# KiCad board motordecoder2-K3057.kicad_pcb (continued)
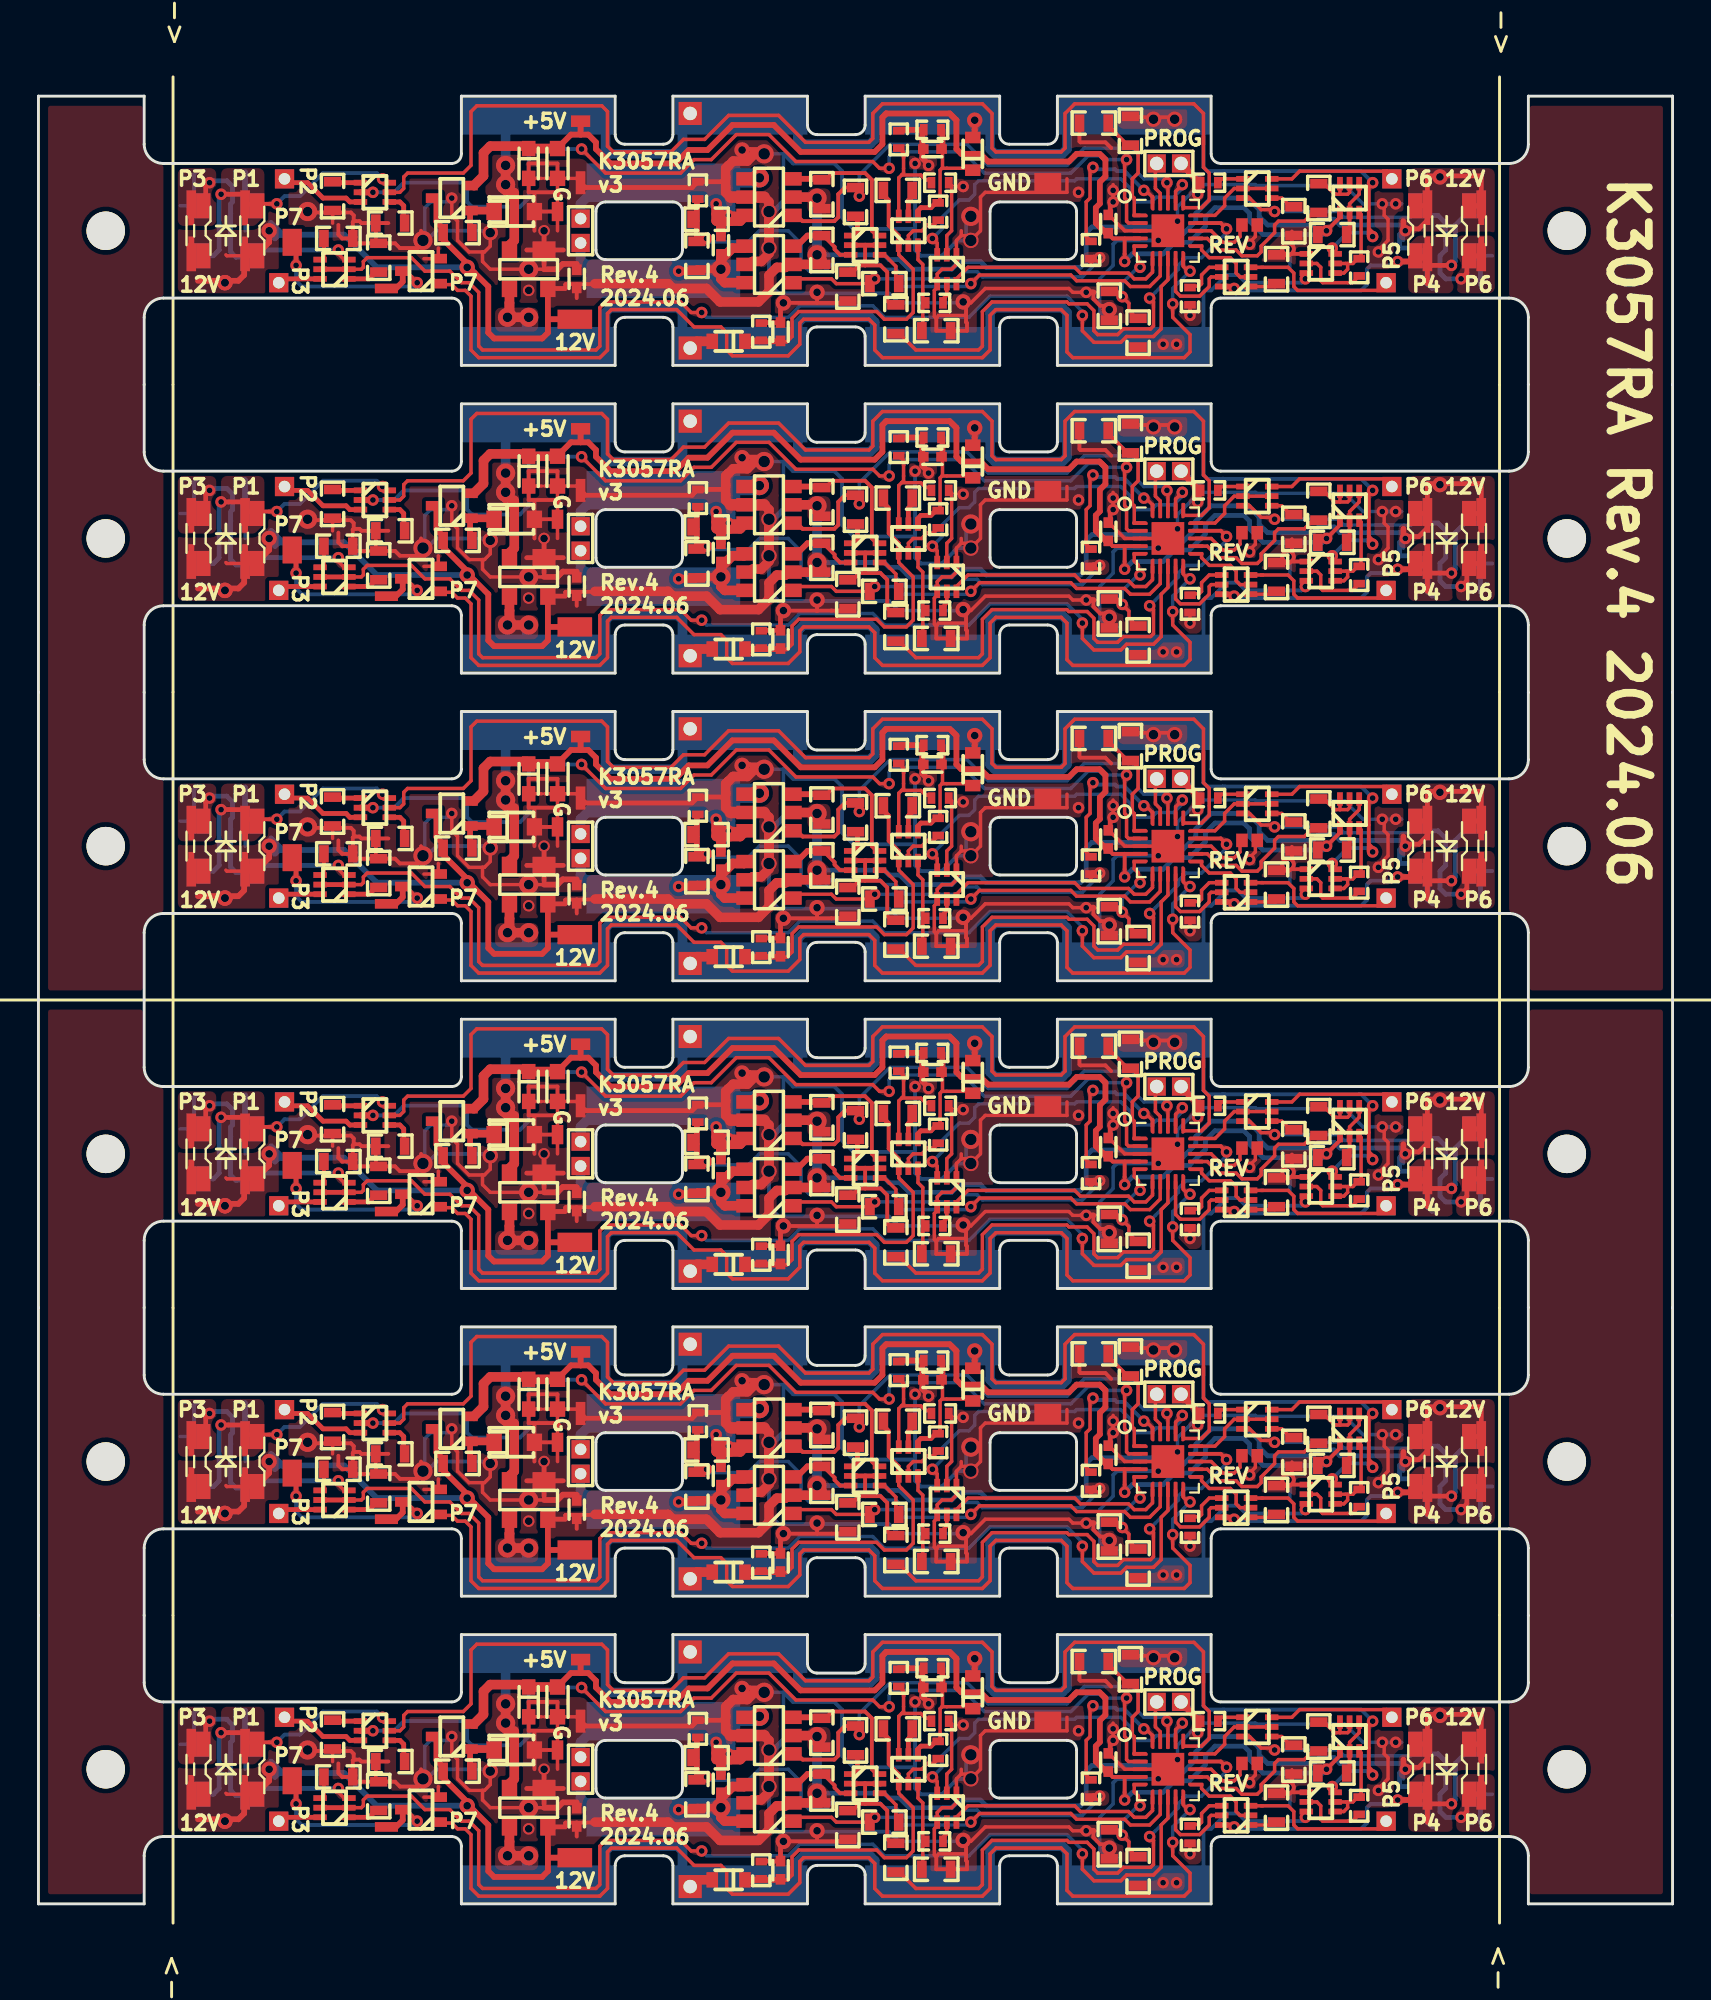
[diagram p0: board, top side]
## Copper pours and planes (outline as drawn; the poured copper is in the pictures) (continued)
Net-(D15-K) on Top: 75.75,19.75 73.75,19.75 73.75,22.75 75.75,22.75
Net-(D15-K) on Top: 75.75,51.75 73.75,51.75 73.75,54.75 75.75,54.75
Net-(D15-K) on Top: 75.75,3.75 73.75,3.75 73.75,6.75 75.75,6.75
Net-(D15-K) on Top: 75.75,67.75 73.75,67.75 73.75,70.75 75.75,70.75
Net-(D16-K) on Top: 9.25,87.25 7.25,87.25 7.25,90.25 9.25,90.25
Net-(D16-K) on Top: 9.25,71.25 7.25,71.25 7.25,74.25 9.25,74.25
Net-(D16-K) on Top: 9.25,7.25 7.25,7.25 7.25,10.25 9.25,10.25
Net-(D16-K) on Top: 9.25,55.25 7.25,55.25 7.25,58.25 9.25,58.25
Net-(D16-K) on Top: 9.25,23.25 7.25,23.25 7.25,26.25 9.25,26.25
Net-(D16-K) on Top: 9.25,39.25 7.25,39.25 7.25,42.25 9.25,42.25
Net-(R10-Pad1) on Top: 55.7,53.1 54.3,53.1 54.3,53.9 55.7,53.9
Net-(R10-Pad1) on Top: 55.7,21.1 54.3,21.1 54.3,21.9 55.7,21.9
Net-(R10-Pad1) on Top: 55.7,37.1 54.3,37.1 54.3,37.9 55.7,37.9
Net-(R10-Pad1) on Top: 55.7,5.1 54.3,5.1 54.3,5.9 55.7,5.9
Net-(R10-Pad1) on Top: 55.7,69.1 54.3,69.1 54.3,69.9 55.7,69.9
Net-(R10-Pad1) on Top: 55.7,85.1 54.3,85.1 54.3,85.9 55.7,85.9

Small or netless copper shapes (teardrops, artwork), in the pictures only: 354 on Top, 318 on Bottom

## Text on the board
B.Silkscreen: MOTOR / TEST | Rev.4 2024.06 | K3057RA v3 | P1 | 12V | P3 | P2 | MOTOR+ | MOTOR- | PROG | P5 | P6 | P4 | <- FWD | REV -> | <- V-CUT | V-CUT ->
F.Silkscreen: P3 | P2 | G | K3057RA / v3 | Rev.4 / 2024.06 | 12V | P1 | P7 | +5V | GND | PROG | REV | P6 | P4 | P5 | <- V-CUT | V-CUT -> | K3057RA Rev.4 2024.06
